# Altium PCB Interface_Card_for_GaN_Inverter.PcbDoc (part 2 of 2)
Units mm, origin at the board's own origin, x right, y up, seen from the top; angles counter-clockwise.
Board outline 50 x 100 mm, 4 copper layers (Top Copper, Signal Layer 1, Signal Layer 2, Bottom Copper), stack 1.57 mm thick; 101 components, 146 nets, 564 pads, 215 vias.
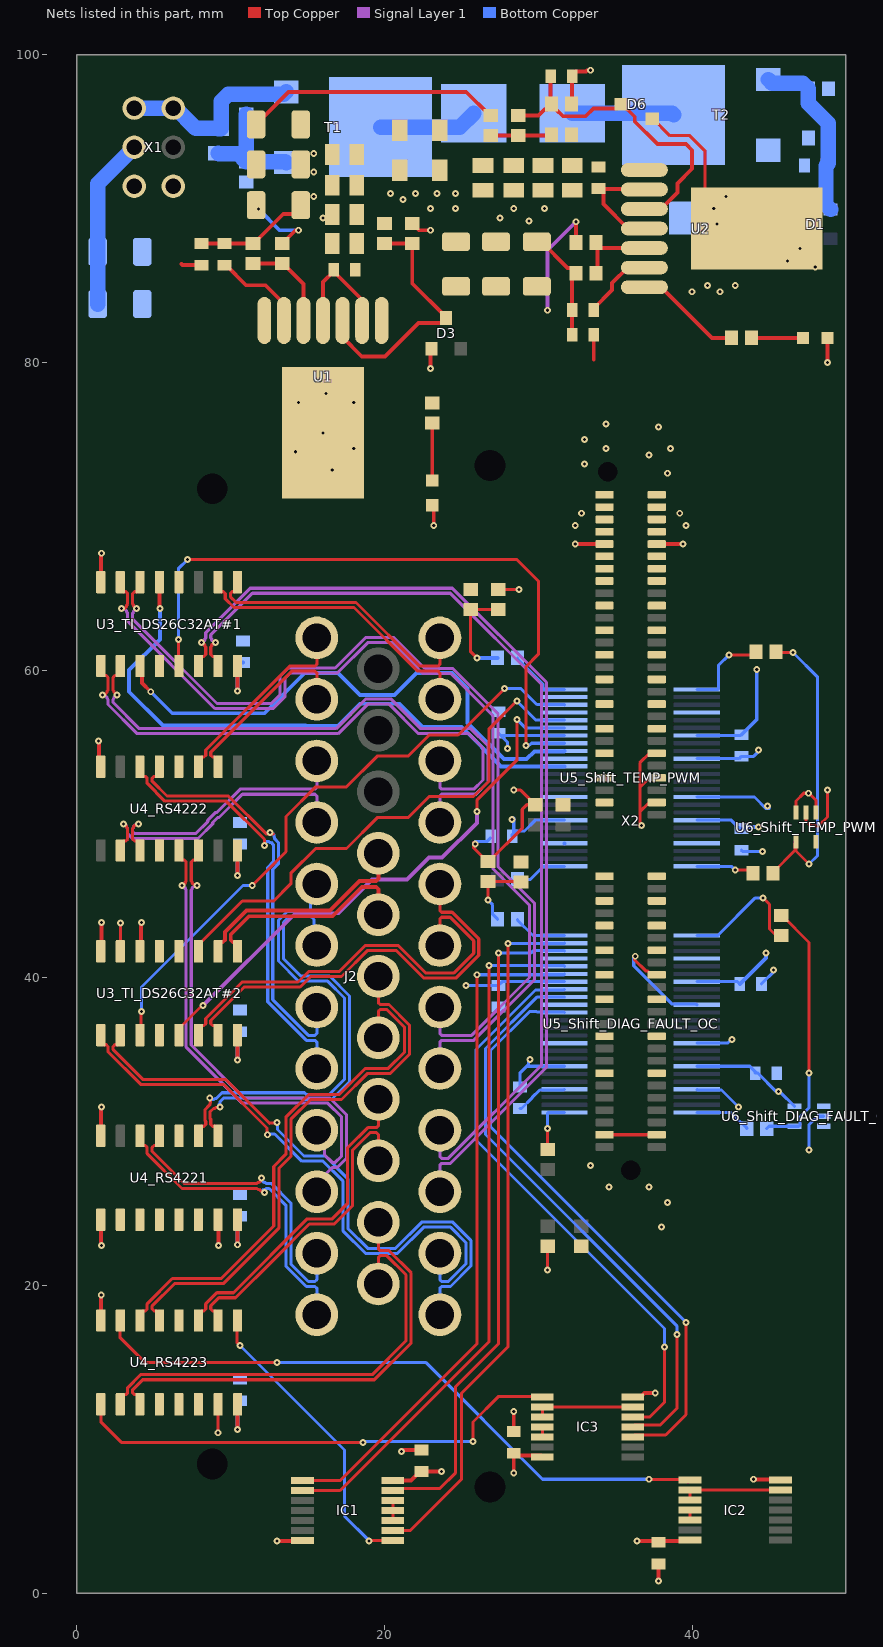
[diagram p4: the nets of this part, all layers, seen from the top]

## Via types
v1: diameter 0.45, hole 0.2, Top Copper to Bottom Copper, 215 vias

## Nets (pads, with @x,y where several pads share a name; then routed paths per layer and width w, separated by ;. In a path a pad name is that pad's centre, name@x,y a point inside that pad or via, vN(x,y) a via of type N, cw(c..) or ccw(c..) an arc to the next point about the centre after c; other vN are vias at no path point) (continued)
2B2_Shift_DIAG_FAULT_OC: IC3.3 U5_Shift_DIAG_FAULT_OC.14 | length 38.9
  Top Copper w0.2: IC3.3@36.138,10.15 36.263,10.275 38.275,10.275 39.6,11.6 v1(39.6,17.6)
  Bottom Copper w0.2: U5_Shift_DIAG_FAULT_OC.14@31.7,37.75 31.667,37.783 29.9,37.783 29.879,37.804 29.421,37.804 26.892,35.275 26.892,30.308 v1(39.6,17.6)
2B2_Shift_TEMP_PWM: U3_TI_DS26C32AT#1.5 U5_Shift_TEMP_PWM.14 | length 39.5
  Top Copper w0.254: U3_TI_DS26C32AT#1.5@5.365,65.725 5.383,65.708 5.383,64.017 v1(5.4,64)
  Bottom Copper w0.254: v1(5.4,64) 5.4,62 3.4,60 3.4,58.6 5.6,56.4 14.875,56.4 14.89,56.386 16.985,56.386 18.414,57.814 20.986,57.814 22.477,56.323 24.996,56.323 27.568,53.75 U5_Shift_TEMP_PWM.14@31.7,53.75
2B3_Shift_DIAG_FAULT_OC: IC3.4 U5_Shift_DIAG_FAULT_OC.16 | length 38.4
  Top Copper w0.2: IC3.4@36.138,10.8 36.263,10.925 37.925,10.925 39,12 v1(39,16.8)
  Bottom Copper w0.2: U5_Shift_DIAG_FAULT_OC.16@31.7,38.75 31.696,38.746 29.9,38.746 26.565,35.411 26.565,29.809 39,17.374 v1(39,16.8)
2B3_Shift_TEMP_PWM: U3_TI_DS26C32AT#1.11 U5_Shift_TEMP_PWM.16 | length 35.6
  Top Copper w0.254: U3_TI_DS26C32AT#1.11@4.095,60.275 4.231,60.139 4.231,59.169 v1(4.8,58.6)
  Bottom Copper w0.254: v1(4.8,58.6) 6.2,57.2 12.2,57.2 14.815,59.815 16.986,59.815 18.415,58.385 20.648,58.385 22.077,59.815 24.385,59.815 25.4,58.8 25.4,56.578 27.759,54.219 29.241,54.219 29.739,54.717 31.667,54.717 U5_Shift_TEMP_PWM.16@31.7,54.75
2B4_Shift_DIAG_FAULT_OC: IC3.5 U5_Shift_DIAG_FAULT_OC.17 | length 37.8
  Top Copper w0.2: IC3.5@36.138,11.45 37.242,11.45 38.2,12.408 v1(38.2,16)
  Bottom Copper w0.2: U5_Shift_DIAG_FAULT_OC.17@31.7,39.25 31.66,39.21 29.81,39.21 25.946,35.346 25.946,29.454 38.2,17.2 v1(38.2,16)
2B4_Shift_TEMP_PWM: U3_TI_DS26C32AT#1.13 U5_Shift_TEMP_PWM.17 | length 44.3
  Top Copper w0.2: v1(6.6,62) 6.618,61.982 6.618,60.293 U3_TI_DS26C32AT#1.13@6.635,60.275 ; v1(7.2,67.2) 28.6,67.2 30,65.8 30,61.029 29.2,60.229 v1@29.2,55
  Bottom Copper w0.2: v1(6.6,62) 6.6,66.6 v1(7.2,67.2) ; v1@29.2,55 29.3,55 29.55,55.25 U5_Shift_TEMP_PWM.17@31.7,55.25
  other v1: 29.2,55.1
2B5_Shift_DIAG_FAULT_OC: IC1.1 U5_Shift_DIAG_FAULT_OC.19 | length 44.7
  Top Copper w0.2: IC1.1@14.662,7.325 17.125,7.325 26,16.2 v1(26,40.2)
  Bottom Copper w0.2: v1(26,40.2) 31.65,40.2 U5_Shift_DIAG_FAULT_OC.19@31.7,40.25
2B5_Shift_TEMP_PWM: U3_TI_DS26C32AT#2.13 U5_Shift_TEMP_PWM.19 | length 36.5
  Top Copper w0.2: U3_TI_DS26C32AT#2.13@6.635,36.275 6.635,36.7 8.135,38.2 v1(8.2,38.2) ; v1(26,50.8) 26,51.538 28.6,54.138 v1(28.6,56.8)
  Signal Layer 1 w0.254: v1(8.2,38.2) 14.2,44.2 17,44.2 19.185,46.386 21.461,46.386 22.89,47.814 23.739,47.814 26,50.075 v1(26,50.8)
  Bottom Copper w0.2: v1(28.6,56.8) 29.15,56.25 U5_Shift_TEMP_PWM.19@31.7,56.25
2B6_Shift_DIAG_FAULT_OC: IC1.2 U5_Shift_DIAG_FAULT_OC.20 | length 45.5
  Top Copper w0.2: IC1.2@14.662,6.675 17.117,6.675 26.8,16.358 v1(26.8,40.8)
  Bottom Copper w0.2: v1(26.8,40.8) 31.65,40.8 U5_Shift_DIAG_FAULT_OC.20@31.7,40.75
2B6_Shift_TEMP_PWM: U3_TI_DS26C32AT#2.3 U5_Shift_TEMP_PWM.20 | length 33.7
  Top Copper w0.2: U3_TI_DS26C32AT#2.3@7.905,41.725 7.905,42.15 10.755,45 12.8,45 13.912,46.112 13.912,46.799 15.526,48.413 17.526,48.413 19.526,50.413 21.526,50.413 22.901,51.788 25.787,51.788 26.8,52.8 26.8,56.2 v1(28.6,58)
  Bottom Copper w0.2: v1(28.6,58) 29.85,56.75 U5_Shift_TEMP_PWM.20@31.7,56.75
2B7_Shift_DIAG_FAULT_OC: IC1.13 U5_Shift_DIAG_FAULT_OC.22 | length 43.9
  Top Copper w0.2: IC1.13@20.538,6.675 20.663,6.8 23.6,6.8 24.6,7.8 24.6,13.4 27.4,16.2 v1(27.4,41.6)
  Bottom Copper w0.2: v1(27.4,41.6) 29.496,41.6 29.671,41.775 31.675,41.775 U5_Shift_DIAG_FAULT_OC.22@31.7,41.75
2B7_Shift_TEMP_PWM: U3_TI_DS26C32AT#2.11 U5_Shift_TEMP_PWM.22 | length 40.5
  Top Copper w0.2: U3_TI_DS26C32AT#2.11@4.095,36.275 4.162,36.342 4.162,37.762 v1(4.2,37.8) ; v1(11.4,46) 13.6,48.2 13.6,50.486 15.526,52.413 17.526,52.413 19.526,54.412 21.526,54.412 22.901,55.788 24.788,55.788 v1(27.8,58.8)
  Bottom Copper w0.2: v1(4.2,37.8) 4.2,39.4 10.8,46 v1(11.4,46) ; v1(27.8,58.8) 28.872,58.8 29.9,57.772 31.678,57.772 U5_Shift_TEMP_PWM.22@31.7,57.75
2B8_Shift_DIAG_FAULT_OC: IC1.9 U5_Shift_DIAG_FAULT_OC.23 | length 45.6
  Top Copper w0.2: IC1.9@20.538,4.075 21.675,4.075 25,7.4 25,8.8 25,13 28.038,16.038 v1(28.038,42.237)
  Bottom Copper w0.2: v1(28.038,42.237) 31.688,42.237 U5_Shift_DIAG_FAULT_OC.23@31.7,42.25
2B8_Shift_TEMP_PWM: U5_Shift_TEMP_PWM.23
2DIR_Shift_DIAG_FAULT_OC: R20_Shift_DIAG_FAULT_OC.1 R23.2 R24.2 | length 4.9
  Top Copper w0.2: v1(26.73,45.07) R23.2@26.73,46.258 28.842,46.258 R24.2@28.875,46.225
  Bottom Copper w0.2: v1(26.73,45.07) 26.73,45.043 27.025,44.748 27.025,44.125 R20_Shift_DIAG_FAULT_OC.1@27.35,43.8
2DIR_Shift_TEMP_PWM: R20_Shift_TEMP_PWM.1 R27.2 R28.2 | length 6.5
  Top Copper w0.2: v1(26,60.8) 25.6,61.2 R28.2@25.6,63.95 R27.2@27.4,63.95
  Bottom Copper w0.254: v1(26,60.8) R20_Shift_TEMP_PWM.1@27.35,60.8
FAULT_N: J2.22 U4_RS4223.11 | length 29.6
  Top Copper w0.2: U4_RS4223.11@4.095,12.275 4.095,12.7 3.895,12.9 3.741,12.9 3.624,13.017 3.624,13.223 4.274,13.873 19.335,13.873 21.727,16.265 21.727,20.822 20.285,22.263 19.717,22.263 19.6,22.381 J2.22@19.6,24.1
FAULT_P: J2.23 U4_RS4223.10 | length 29.1
  Top Copper w0.2: U4_RS4223.10@2.825,12.275 2.825,12.7 3.025,12.9 3.179,12.9 3.297,13.017 3.297,13.358 4.138,14.2 19.2,14.2 21.4,16.4 21.4,20.686 20.15,21.936 19.717,21.936 19.6,21.819 J2.23@19.6,20.1
GaN_H1_TEMP_N: J2.1 U4_RS4222.3 | length 12.6
  Top Copper w0.2: U4_RS4222.3@7.905,53.725 7.905,54.15 8.105,54.35 8.259,54.35 8.377,54.467 8.377,54.808 13.832,60.263 15.483,60.263 15.6,60.381 J2.1@15.6,62.1
GaN_H1_TEMP_P: J2.2 U4_RS4222.2 | length 12.1
  Top Copper w0.2: U4_RS4222.2@9.175,53.725 9.175,54.15 8.975,54.35 8.821,54.35 8.704,54.467 8.704,54.673 13.967,59.936 15.483,59.936 15.6,59.819 J2.2@15.6,58.1
GaN_H2_TEMP_N: J2.3 U4_RS4222.11 | length 18
  Top Copper w0.2: v1(4,50) 3.841,50 3.687,49.846 3.687,49.771 3.624,49.707 3.624,49.017 3.741,48.9 3.895,48.9 4.095,48.7 U4_RS4222.11@4.095,48.275
  Signal Layer 1 w0.2: v1(4,50) 3.841,50 3.687,49.846 3.687,49.771 3.624,49.707 3.624,49.5 3.741,49.383 7.737,49.383 8.507,50.152 8.507,50.238 9.023,50.754 9.109,50.754 10.618,52.263 15.483,52.263 15.6,52.381 J2.3@15.6,54.1
GaN_H2_TEMP_P: J2.4 U4_RS4222.10 | length 18.2
  Top Copper w0.2: U4_RS4222.10@2.825,48.275 2.825,48.7 3.025,48.9 3.179,48.9 3.297,49.017 3.297,49.707 3.233,49.771 3.233,49.846 3.133,49.946 v1@3.133,50
  Signal Layer 1 w0.2: v1@3.133,50 3.133,49.946 3.233,49.846 3.233,49.771 3.297,49.707 3.297,49.365 3.605,49.056 7.872,49.056 8.834,50.017 8.834,50.103 9.158,50.427 9.244,50.427 10.753,51.937 15.483,51.937 15.6,51.819 J2.4@15.6,50.1
  other v1: 3.033,50
GaN_H3_TEMP_N: J2.5 U4_RS4221.3 | length 29.9
  Top Copper w0.2: U4_RS4221.3@7.905,29.725 7.905,30.15 8.105,30.35 8.259,30.35 8.377,30.467 8.377,30.673 8.319,30.73 8.319,31.413 8.646,31.74 8.646,31.829 8.699,31.883 8.699,32.024 8.638,32.085 v1(8.638,32.2)
  Bottom Copper w0.2: v1(8.638,32.2) 8.677,32.2 8.776,32.101 8.917,32.101 8.971,32.154 9.06,32.154 9.433,32.527 14.787,32.527 14.901,32.413 16.413,32.413 17.4,33.4 17.4,38.686 16.299,39.787 14.412,39.787 13.104,41.096 13.104,43.742 13.689,44.327 15.2,44.327 15.2,45.7 J2.5@15.6,46.1
GaN_H3_TEMP_P: J2.6 U4_RS4221.2 | length 29.2
  Top Copper w0.2: U4_RS4221.2@9.175,29.725 9.175,30.15 8.975,30.35 8.821,30.35 8.704,30.467 8.704,30.808 8.646,30.866 8.646,31.277 8.877,31.508 8.967,31.508 9.02,31.562 9.162,31.562 v1@9.2,31.6
  Bottom Copper w0.2: v1@9.2,31.6 9.238,31.638 9.238,31.78 9.292,31.833 9.292,31.923 9.569,32.2 14.651,32.2 14.766,32.086 16.548,32.086 17.727,33.265 17.727,38.822 16.434,40.114 14.548,40.114 13.431,41.231 13.431,43.606 13.825,44 15.2,44 15.413,43.787 15.413,42.287 J2.6@15.6,42.1
  other v1: 9.3,31.6
GaN_L1_TEMP_N: J2.7 U4_RS4222.5 | length 27.2
  Top Copper w0.2: U4_RS4222.5@5.365,53.725 5.365,53.3 5.165,53.1 5.011,53.1 4.894,52.983 4.894,52.777 5.856,51.815 9.848,51.815 12.304,49.358 v1@12.767,49.358
  Bottom Copper w0.2: v1@12.767,49.358 12.805,49.32 12.805,49.179 12.858,49.125 12.858,49.035 13.1,48.793 13.1,47.407 12.734,47.041 12.734,38.58 15.05,36.263 15.483,36.263 15.6,36.381 J2.7@15.6,38.1
  other v1: 12.567,49.458
GaN_L1_TEMP_P: J2.8 U4_RS4222.6 | length 28.1
  Top Copper w0.2: U4_RS4222.6@4.095,53.725 4.095,53.3 4.295,53.1 4.449,53.1 4.567,52.983 4.567,52.642 5.721,51.488 9.713,51.488 12.2,49 v1(12.2,48.6)
  Bottom Copper w0.2: v1(12.2,48.6) 12.2,48.715 12.342,48.858 12.484,48.858 12.537,48.804 12.627,48.804 12.773,48.658 12.773,47.543 12.407,47.176 12.407,38.444 14.915,35.936 15.483,35.936 15.6,35.819 J2.8@15.6,34.1
GaN_L2_TEMP_N: J2.9 U4_RS4222.13 | length 31
  Top Copper w0.2: U4_RS4222.13@6.635,48.275 6.635,47.85 6.835,47.65 6.989,47.65 7.107,47.533 7.107,46.293 7.043,46.229 7.043,46.154 6.943,46.054 v1@6.943,46
  Signal Layer 1 w0.2: v1@6.943,46 6.943,45.946 7.043,45.846 7.043,45.771 7.107,45.707 7.107,35.494 10.746,31.854 16.317,31.854 17.2,30.971 17.2,28.4 16.8,28 16.6,28 16.093,28.507 16.093,29.607 J2.9@15.6,30.1
  other v1: 6.843,46
GaN_L2_TEMP_P: J2.10 U4_RS4222.14 | length 31.4
  Top Copper w0.2: v1(7.8,46) 7.651,46 7.497,46.154 7.497,46.229 7.434,46.293 7.434,47.533 7.551,47.65 7.705,47.65 7.905,47.85 U4_RS4222.14@7.905,48.275
  Signal Layer 1 w0.2: v1(7.8,46) 7.651,46 7.497,45.846 7.497,45.771 7.434,45.707 7.434,35.629 10.881,32.181 16.452,32.181 17.527,31.106 17.527,28.265 16.935,27.673 16.6,27.673 15.6,26.673 J2.10@15.6,26.1
GaN_L3_TEMP_N: J2.11 U4_RS4221.5 | length 20.1
  Top Copper w0.2: U4_RS4221.5@5.365,29.725 5.365,29.3 5.165,29.1 5.011,29.1 4.894,28.983 4.894,28.707 6.964,26.637 11.707,26.637 11.771,26.7 11.846,26.7 12,26.854 v1(12,27)
  Bottom Copper w0.2: v1(12,27) 12,26.854 12.154,26.7 12.229,26.7 12.293,26.637 12.635,26.637 13.912,25.359 13.912,21.401 15.05,20.264 15.483,20.264 15.6,20.381 J2.11@15.6,22.1
GaN_L3_TEMP_P: J2.12 U4_RS4221.6 | length 20.3
  Top Copper w0.2: U4_RS4221.6@4.095,29.725 4.095,29.3 4.295,29.1 4.449,29.1 4.567,28.983 4.567,28.571 6.828,26.31 11.707,26.31 11.771,26.246 11.846,26.246 11.946,26.146 v1@12,26.146
  Bottom Copper w0.2: v1@12,26.146 12.054,26.146 12.154,26.246 12.229,26.246 12.293,26.31 12.5,26.31 13.585,25.224 13.585,21.266 14.915,19.937 15.483,19.937 15.6,19.819 J2.12@15.6,18.1
  other v1: 12.2,26.046
GND: C3.1 C4.1 C5.1 C6.1 C7.1 C8.1 C9.1 C10.1 C11.1 C12.1 C13.1 C14.1 C15.1 C16.1 C17.1 C18.1 C19.1 C20.1 C21.1 C22.1 C23.1 C24_TI_DS26C32AT#1.1 C24_TI_DS26C32AT#2.1 C25_RS4221.1 C25_RS4222.1 C25_RS4223.1 C26.1 C27.1 C28.1 C29_Shift_DIAG_FAULT_OC.1 C29_Shift_TEMP_PWM.1 C30_Shift_DIAG_FAULT_OC.1 C30_Shift_TEMP_PWM.1 C31_Shift_DIAG_FAULT_OC.1 C31_Shift_TEMP_PWM.1 C32_Shift_DIAG_FAULT_OC.1 C32_Shift_TEMP_PWM.1 C33.1 C34.1 D2.2 D3.1 D4.1 D5.1 D6.1 IC1.7 IC2.7 IC3.7 R3.1 R4.1 R6.1 R10.1 R13.2 R16.1 R21.1 R23.1 R25.1 R27.1 U1.2 U1.4 U1.8 U2.2 U2.4 U2.8 U3_TI_DS26C32AT#1.8 U3_TI_DS26C32AT#2.6 U3_TI_DS26C32AT#2.8 U4_RS4221.8 U4_RS4221.9 U4_RS4221.15 U4_RS4222.8 U4_RS4223.8 U4_RS4223.15 U5_Shift_DIAG_FAULT_OC.4 U5_Shift_DIAG_FAULT_OC.10 U5_Shift_DIAG_FAULT_OC.15 U5_Shift_DIAG_FAULT_OC.21 U5_Shift_DIAG_FAULT_OC.28 U5_Shift_DIAG_FAULT_OC.34 U5_Shift_DIAG_FAULT_OC.39 U5_Shift_DIAG_FAULT_OC.45 U5_Shift_TEMP_PWM.4 U5_Shift_TEMP_PWM.10 U5_Shift_TEMP_PWM.15 U5_Shift_TEMP_PWM.21 U5_Shift_TEMP_PWM.28 U5_Shift_TEMP_PWM.34 U5_Shift_TEMP_PWM.39 U5_Shift_TEMP_PWM.45 U6_Shift_DIAG_FAULT_OC.1 U6_Shift_DIAG_FAULT_OC.3 U6_Shift_TEMP_PWM.1 U6_Shift_TEMP_PWM.3 X1.3 X1.6 X2.1 X2.2 X2.3 X2.4 X2.7 X2.8 X2.11 X2.12 X2.15 X2.16 X2.19 X2.20 X2.23 X2.24 X2.27 X2.28 X2.31 X2.32 X2.35 X2.36 X2.39 X2.40 X2.43 X2.44 X2.47 X2.48 X2.51 X2.52 X2.55 X2.56 X2.59 X2.60 X2.63 X2.64 X2.67 X2.68 X2.71 X2.72 X2.75 X2.76 X2.81 X2.82 X2.87 X2.88 X2.97 X2.98 | length 131.2
  Top Copper w0.2: v1(9.175,10.425) U4_RS4223.15@9.175,12.275 ; v1@25.8,48.8 25.8,48.438 26.68,47.558 R23.1@26.73,47.558 26.78,47.558 28.954,49.732 28.954,50.954 29.25,51.25 R25.1@29.8,51.25 28.85,52.2 v1(28.4,52.2) ; R27.1@27.4,65.25 v1(28.75,65.25) ; v1(30.6,21) R21.1@30.6,22.55 ; v1@36.2,41.4 36.238,41.362 36.238,41.187 36.976,40.45 37.1,40.45 37.35,40.2 X2.72@37.7,40.2 ; v1@36.6,49.8 36.6,50.8 ; X2.52@37.2,51.4 36.6,50.8 ; D6.1@37.4,95.85 37.45,95.85 38.552,94.748 39.852,94.748 40.822,93.778 40.822,91.285 43.397,88.71 U2.8@44.2,88.71 ; X2.48@37.7,53 37.226,53 36.6,52.374 ; X2.44@37.7,54.6 37.226,54.6 36.6,53.974 36.6,52.374 ; U6_Shift_TEMP_PWM.3@46.75,50.75 46.75,51.5 47.25,52 47.6,52 48.05,51.55 U6_Shift_TEMP_PWM.1@48.05,50.75 ; 36.6,50.8 36.6,52.374
  Top Copper w0.254: v1(1.4,55.4) 1.428,55.372 1.428,54.323 1.551,54.2 1.6,54.2 1.555,54.155 U4_RS4222.8@1.555,53.725 ; U4_RS4223.8@1.555,17.725 1.569,17.739 1.569,19.369 v1(1.583,19.383) ; U4_RS4221.9@1.555,24.275 1.578,24.253 1.578,22.622 v1(1.6,22.6) ; U4_RS4221.8@1.555,29.725 1.578,29.747 1.578,31.578 v1(1.6,31.6) ; U3_TI_DS26C32AT#2.8@1.555,41.725 1.6,41.77 v1(1.6,43.6) ; U3_TI_DS26C32AT#1.8@1.555,65.725 1.578,65.748 1.578,67.578 v1(1.6,67.6) ; U3_TI_DS26C32AT#2.6@4.095,41.725 4.172,41.802 4.172,43.572 v1(4.2,43.6) ; C8.1@8.1,87.73 C12.1@9.6,87.73 R6.1@11.45,87.73 11.5,87.73 13.417,89.647 14.078,89.647 14.55,90.119 C9.1@14.55,90.23 ; U4_RS4221.15@9.175,24.275 9.2,24.25 v1(9.2,22.6) ; v1(13,3.4) 14.637,3.4 IC1.7@14.662,3.425 ; U1.4@16,82.735 16,85.23 C7.1@16.7,85.93 ; C7.1@16.7,86.03 C7.1@16.7,85.93 ; U1.2@18.54,82.735 18.418,82.857 18.418,84.212 C7.1@16.7,85.93 ; v1@21.1,9.3 C26.1@22.4,9.3 ; R10.1@21.8,89.05 22.25,88.6 v1(23,88.6) ; v1(23,79.6) 23,80.85 D3.1@23.05,80.9 ; D4.1@23.1,70.73 23.2,70.63 v1(23.2,69.4) ; C28.1@28.4,10.7 v1(28.4,11.8) ; C19.1@29.9,87.85 30.205,87.85 31.907,86.148 32.152,86.148 32.45,85.85 R13.2@32.45,85.8 32.2,85.55 C22.1@32.2,83.41 C18.1@32.2,81.81 ; R16.1@32.15,96.81 32.2,96.86 C23.1@32.2,98.61 32.2,98.71 32.423,98.933 33.093,98.933 33.16,99 v1(33.4,99) ; C17.1@33.9,91.31 34,91.31 C17.1@34.03,91.28 ; X2.97@34.3,29.8 X2.98@37.7,29.8 ; IC3.7@36.138,12.75 36.651,12.75 36.9,13 v1(37.6,13) ; U2.4@36.895,88.71 35.81,88.71 34.223,90.297 34.223,91.087 C17.1@34.03,91.28 ; U2.2@36.895,91.25 36.865,91.28 C17.1@34.03,91.28 ; v1(37.8,0.8) C27.1@37.8,1.9 ; v1(44,7.4) 44.025,7.375 45.713,7.375 IC2.7@45.738,7.35 ; v1(48.8,80) D5.1@48.8,81.6
  Bottom Copper w0.2: v1@25.8,48.8 25.827,48.8 25.877,48.85 26.65,48.85 C31_Shift_TEMP_PWM.1@26.9,49.1 ; C31_Shift_DIAG_FAULT_OC.1@28.8,31.5 28.9,31.5 29.613,32.213 29.613,32.227 30.096,32.71 31.66,32.71 U5_Shift_DIAG_FAULT_OC.4@31.7,32.75 ; v1@36.2,41.4 36.2,40.786 38.696,38.29 40.26,38.29 U5_Shift_DIAG_FAULT_OC.34@40.3,38.25 ; U5_Shift_DIAG_FAULT_OC.45@40.3,32.75 40.34,32.71 41.904,32.71 v1(43.014,31.6) ; U5_Shift_DIAG_FAULT_OC.39@40.3,35.75 42.296,35.75 42.546,36 v1(42.6,36) ; U5_Shift_TEMP_PWM.39@40.3,51.75 40.304,51.754 44.046,51.754 44.8,51 45,51 v1@45.029,51.029 ; U5_Shift_TEMP_PWM.34@40.3,54.25 43.05,54.25 C29_Shift_TEMP_PWM.1@43.2,54.4 44,54.4 v1@44.4,54.8 ; C30_Shift_TEMP_PWM.1@43.2,48.3 43.3,48.2 v1(44.575,48.2) ; C29_Shift_DIAG_FAULT_OC.1@44.5,39.6 v1@45.4,40.5
  Bottom Copper w0.254: U5_Shift_TEMP_PWM.4@31.687,48.737 U5_Shift_TEMP_PWM.4@31.7,48.75
  other v1: 21.1,9.2 38,23.8 38.4,25.4 34.6,26.4 37.2,26.4 33.4,27.8 45.3,40.5 36.3,41.4 25.9,48.7 36.7,49.9 44.9,51.179 47.55,52 44.3,54.8 38.4,72.8 16.6,73 33,73.4 37.2,74 14.2,74.2 18,74.4 34.4,74.4 38.6,74.4 33,75 16,75.43 37.8,75.8 34.4,76 14.4,77.4 18,77.4 16.2,78 48,86.2 46.2,86.6 47,87.4 41.6,89 29.4,89.2 16,89.4 27.5,89.4 28.4,90 30.4,90 41.4,90 15.4,90.8 42.2,90.8 15.4,92.4 15.4,93.6
I_DIAG_N: J2.20 U4_RS4223.3 | length 21.2
  Top Copper w0.2: U4_RS4223.3@7.905,17.725 7.905,18.15 8.105,18.35 8.259,18.35 8.377,18.467 8.377,18.808 9.095,19.527 10.178,19.527 14.978,24.327 16.6,24.327 17.585,25.312 17.585,28.934 18.915,30.263 19.483,30.263 19.6,30.381 J2.20@19.6,32.1
I_DIAG_P: J2.21 U4_RS4223.2 | length 20.8
  Top Copper w0.2: U4_RS4223.2@9.175,17.725 9.175,18.15 8.975,18.35 8.821,18.35 8.704,18.467 8.704,18.673 9.231,19.2 10.314,19.2 12.826,21.713 15.114,24 16.735,24 17.912,25.177 17.912,28.799 19.05,29.936 19.483,29.936 19.6,29.819 19.6,28.427 J2.21@19.927,28.1
"IC1 1Y": IC1.10 IC1.11 IC1.12 | length 1.3
  Top Copper w0.2: IC1.10@20.538,4.725 IC1.11@20.538,5.375 IC1.12@20.538,6.025
"IC2 1Y": IC2.11 IC2.12 | length 0.7
  Top Copper w0.2: IC2.12@39.862,4.75 IC2.11@39.862,5.4
"IC2 2Y": IC2.6 IC2.9 IC2.10 | length 6.5
  Top Copper w0.2: IC2.10@39.862,6.05 IC2.9@39.862,6.7 IC2.6@45.738,6.7
"IC3 1Y": IC3.11 IC3.12 | length 0.7
  Top Copper w0.2: IC3.12@30.262,10.15 IC3.11@30.262,10.8
"IC3 2Y": IC3.6 IC3.9 IC3.10 | length 6.5
  Top Copper w0.2: IC3.10@30.262,11.45 IC3.9@30.262,12.1 IC3.6@36.138,12.1
NetC1_1: C1.1 R1.1 R3.2 T1.1 | length 7.7
  Bottom Copper w1: C1.1@9.2,93.6 9.225,93.575 10.475,93.575 R3.2@11,93.05 ; R1.1@11,96.15 R3.2@11,93.05 ; T1.1@13.6,93 13.55,93.05 R3.2@11,93.05
NetC1_2: C1.2 R1.2 T1.3 X1.1 X1.4 | length 12.4
  Bottom Copper w1: X1.4@3.73,96.54 X1.1@6.27,96.54 6.412,96.54 7.727,95.225 9.175,95.225 C1.2@9.2,95.2 9.35,95.2 9.375,95.225 9.375,96.975 9.85,97.45 R1.2@11,97.45 13.45,97.45 T1.3@13.6,97.6
NetC2_1: C2.1 D1.1 R2.1 R4.2 T2.1 | length 11.4
  Bottom Copper w1: T2.1@44.95,98.4 45.2,98.15 47.2,98.15 R4.2@47.55,97.8 47.55,96.85 48.85,95.55 R2.1@48.85,94.6 48.85,92.95 C2.1@48.7,92.8 48.7,90.25 D1.1@49,89.95
NetC3_2: C3.2 C4.2 C5.2 C6.2 C7.2 L1.2 R7.1 U1.1
NetC12_2: C12.2 U1.6 | length 6
  Top Copper w0.254: C12.2@9.6,86.33 9.7,86.33 11.006,85.024 12.256,85.024 13.46,83.82 U1.6@13.46,82.735
NetC13_2: C13.2 C14.2 C15.2 C16.2 C17.2 L2.2 R11.2 U2.1
NetC22_2: C22.2 U2.6 | length 4.8
  Top Copper w0.254: C22.2@33.6,83.41 33.6,83.51 34.8,84.71 34.8,85.16 35.81,86.17 U2.6@36.895,86.17
NetC23_2: C23.2 D6.3 R15.2 R16.2 U2.3 | length 21.3
  Top Copper w0.254: R15.2@28.7,96.06 30,96.06 30.402,96.462 30.552,96.462 R16.2@30.8,96.71 ; C23.2@30.8,98.61 R16.2@30.8,96.71 ; U2.3@36.895,89.98 37.98,89.98 39.051,91.051 39.051,91.651 40,92.6 40,93.8 39.6,94.2 37.738,94.2 36.269,95.669 36.269,95.981 35.45,96.8 D6.3@35.4,96.8 35.127,96.527 33.593,96.527 33.074,96.008 31.59,96.008 31.148,96.45 31.148,96.462 30.9,96.71 R16.2@30.8,96.71
NetD3_3: D3.3 R7.2 R10.2 U1.3 | length 17
  Top Copper w0.254: U1.3@17.27,82.735 17.27,81.65 18.52,80.4 20.035,80.4 22.212,82.577 23.727,82.577 24,82.85 D3.3@24,82.9 24,82.95 21.8,85.15 R10.2@21.8,87.75 R7.2@20,87.75
NetD4_2: D4.2 R8.1 | length 3.7
  Top Copper w0.2: D4.2@23.1,72.33 R8.1@23.1,76.08
NetD5_2: D5.2 R9.1 | length 3.3
  Top Copper w0.254: R9.1@43.85,81.6 D5.2@47.2,81.6
NetF1_1: F1.1 T1.4 | length 6.4
  Bottom Copper w1: T1.4@19.75,95.3 24.9,95.3 F1.1@25.8,96.2
NetF1_2: F1.2 T2.4 | length 6.6
  Bottom Copper w1: F1.2@32.2,96.2 38.7,96.2 T2.4@38.8,96.1
NetIC1_8: IC1.8 U4_RS4223.1 | length 19.4
  Top Copper w0.2: U4_RS4223.1@10.445,17.725 10.423,17.703 10.423,16.277 v1(10.6,16.1) ; v1(19,3.4) 19.013,3.413 20.526,3.413 IC1.8@20.538,3.425
  Bottom Copper w0.2: v1(10.6,16.1) 17.4,9.3 17.4,5 v1(19,3.4)
NetIC2_8: IC2.8 U4_RS4223.7 | length 42.2
  Top Copper w0.2: U4_RS4223.7@2.825,17.725 2.813,17.713 2.813,16.601 4.413,15 v1(13,15) ; v1(37.2,7.4) 37.225,7.375 39.837,7.375 IC2.8@39.862,7.35 IC2.8@39.737,7.225
  Bottom Copper w0.2: v1(13,15) 22.675,15 30.275,7.4 v1(37.2,7.4)
NetIC3_8: IC3.8 U4_RS4223.9 | length 32.4
  Top Copper w0.2: U4_RS4223.9@1.555,12.275 1.555,11.138 2.893,9.8 v1(18.6,9.8) ; v1(25.746,9.854) 25.746,11.129 27.392,12.775 30.237,12.775 IC3.8@30.262,12.75 IC3.8@30.287,12.775
  Bottom Copper w0.2: v1(18.6,9.8) 18.654,9.854 v1(25.746,9.854)
NetR5_1: R5.1 R6.2 U1.5 | length 6.2
  Top Copper w0.254: R6.2@11.45,86.43 R5.1@13.35,86.43 13.4,86.43 14.73,85.1 U1.5@14.73,82.735
NetR11_1: R11.1 R14.1 R15.1 | length 4
  Top Copper w0.254: R14.1@26.9,94.76 R15.1@28.7,94.76 30.8,94.76 R11.1@30.85,94.81
NetR12_1: R12.1 R13.1 U2.5 | length 5.2
  Top Copper w0.254: R13.1@33.85,85.8 R12.1@33.85,87.75 ; R12.1@33.85,87.8 R12.1@33.85,87.75 ; U2.5@36.895,87.44 36.883,87.452 34.148,87.452 R12.1@33.85,87.75
NetR17_Shift_DIAG_FAULT_OC_1: R17_Shift_DIAG_FAULT_OC.1 U5_Shift_DIAG_FAULT_OC.1 | length 3.5
  Top Copper w0.2: R17_Shift_DIAG_FAULT_OC.1@30.6,28.85 v1(30.6,30.2)
  Bottom Copper w0.2: v1(30.6,30.2) 30.6,31.21 30.64,31.25 U5_Shift_DIAG_FAULT_OC.1@31.7,31.25
NetR17_Shift_TEMP_PWM_1: R17_Shift_TEMP_PWM.1 U5_Shift_TEMP_PWM.1 | length 3.4
  Bottom Copper w0.2: R17_Shift_TEMP_PWM.1@28.65,46.4 29.49,46.4 30.34,47.25 U5_Shift_TEMP_PWM.1@31.7,47.25
NetR18_Shift_DIAG_FAULT_OC_1: R18_Shift_DIAG_FAULT_OC.1 U5_Shift_DIAG_FAULT_OC.48 | length 3.7
  Bottom Copper w0.2: U5_Shift_DIAG_FAULT_OC.48@40.304,31.246 U5_Shift_DIAG_FAULT_OC.48@40.3,31.25 42.5,31.25 43.175,30.575 43.225,30.575 43.55,30.25 R18_Shift_DIAG_FAULT_OC.1@43.55,30.2
NetR18_Shift_TEMP_PWM_1: R18_Shift_TEMP_PWM.1 U5_Shift_TEMP_PWM.48 | length 3.8
  Top Copper w0.2: v1(42.8,47) 43.75,47 R18_Shift_TEMP_PWM.1@43.95,46.8
  Bottom Copper w0.2: U5_Shift_TEMP_PWM.48@40.3,47.25 42.55,47.25 v1(42.8,47)
NetR19_Shift_DIAG_FAULT_OC_1: R19_Shift_DIAG_FAULT_OC.1 U5_Shift_DIAG_FAULT_OC.25 | length 8.5
  Top Copper w0.2: v1(44.6,45.2) 45.025,44.775 45.025,43.175 45.45,42.75 R19_Shift_DIAG_FAULT_OC.1@45.8,42.75
  Bottom Copper w0.2: U5_Shift_DIAG_FAULT_OC.25@40.3,42.75 41.66,42.75 44.11,45.2 v1(44.6,45.2)
NetR19_Shift_TEMP_PWM_1: R19_Shift_TEMP_PWM.1 U5_Shift_TEMP_PWM.25 | length 5.7
  Top Copper w0.2: v1(42.4,61) 43.95,61 R19_Shift_TEMP_PWM.1@44.15,61.2
  Bottom Copper w0.2: U5_Shift_TEMP_PWM.25@40.3,58.75 41.66,58.75 41.7,58.79 41.7,60.3 v1(42.4,61)
NetR20_Shift_DIAG_FAULT_OC_2: R20_Shift_DIAG_FAULT_OC.2 U5_Shift_DIAG_FAULT_OC.24 | length 3.5
  Bottom Copper w0.2: R20_Shift_DIAG_FAULT_OC.2@28.65,43.8 28.65,43.75 29.65,42.75 U5_Shift_DIAG_FAULT_OC.24@31.7,42.75
NetR20_Shift_TEMP_PWM_2: R20_Shift_TEMP_PWM.2 U5_Shift_TEMP_PWM.24 | length 4.1
  Bottom Copper w0.2: R20_Shift_TEMP_PWM.2@28.65,60.8 28.65,60.75 30.3,59.1 30.3,58.79 30.34,58.75 U5_Shift_TEMP_PWM.24@31.7,58.75
NetU3_TI_DS26C32AT#2_5: U3_TI_DS26C32AT#2.5
NetU4_RS4221_10: U4_RS4221.10
NetU4_RS4221_11: U4_RS4221.11
NetU4_RS4221_13: U4_RS4221.13
NetU4_RS4221_14: U4_RS4221.14
NetU4_RS4223_13: U4_RS4223.13
NetU4_RS4223_14: U4_RS4223.14
O\E\_Shift_DIAG_FAULT_OC: R18_Shift_DIAG_FAULT_OC.2 R19_Shift_DIAG_FAULT_OC.2 U6_Shift_DIAG_FAULT_OC.4 | length 16.9
  Top Copper w0.2: R19_Shift_DIAG_FAULT_OC.2@45.8,44.05 45.85,44.05 47.6,42.3 v1(47.6,33.8)
  Bottom Copper w0.2: R18_Shift_DIAG_FAULT_OC.2@44.85,30.2 45,30.35 U6_Shift_DIAG_FAULT_OC.4@46.65,30.35 46.925,30.35 47,30.425 47,30.951 47.6,31.551 v1(47.6,33.8)
O\E\_Shift_TEMP_PWM: R18_Shift_TEMP_PWM.2 R19_Shift_TEMP_PWM.2 U6_Shift_TEMP_PWM.4 | length 20.3
  Top Copper w0.2: R18_Shift_TEMP_PWM.2@45.25,46.8 45.25,46.85 46.675,48.275 46.675,48.775 U6_Shift_TEMP_PWM.4@46.75,48.85 46.75,48.25 v1(47.6,47.4) ; R19_Shift_TEMP_PWM.2@45.45,61.2 45.45,61.15 v1(46.55,61.15)
  Bottom Copper w0.2: v1(46.55,61.15) 48.154,59.546 48.154,47.954 v1(47.6,47.4)
OC_N: J2.18 U4_RS4223.5 | length 34.7
  Top Copper w0.2: U4_RS4223.5@5.365,17.725 5.365,18.15 5.165,18.35 5.011,18.35 4.894,18.467 4.894,18.673 6.341,20.121 9.521,20.121 13.127,23.727 13.127,27.6 13.912,28.386 13.912,30.799 15.199,32.086 17.199,32.086 18.901,33.787 20.388,33.787 21.614,35.014 21.614,36.934 20.285,38.263 19.717,38.263 19.6,38.381 J2.18@19.6,40.1
OC_P: J2.19 U4_RS4223.6 | length 34.1
  Top Copper w0.2: U4_RS4223.6@4.095,17.725 4.095,18.15 4.295,18.35 4.449,18.35 4.567,18.467 4.567,18.808 6.206,20.448 9.385,20.448 12.8,23.862 12.8,27.735 13.585,28.521 13.585,30.934 15.064,32.413 17.064,32.413 18.766,34.114 20.252,34.114 21.287,35.15 21.287,36.799 20.15,37.937 19.717,37.937 19.6,37.819 J2.19@19.6,36.1
PE: C33.2 C34.2 X1.5 | length 11.2
  Bottom Copper w1: C34.2@1.35,83.8 C33.2@1.35,87.2 1.35,91.62 X1.5@3.73,94
PWM_EN_N: J2.17 U3_TI_DS26C32AT#2.1 | length 13.9
  Top Copper w0.254: U3_TI_DS26C32AT#2.1@10.445,41.725 10.445,42.15 10.272,42.323 10.149,42.323 10.001,42.472 10.001,42.814 11.191,44.004 16.615,44.004 18.52,45.91 19.451,45.91 19.6,45.761 J2.17@19.6,44.1
PWM_EN_P: J2.16 U3_TI_DS26C32AT#2.2 | length 14.6
  Top Copper w0.254: U3_TI_DS26C32AT#2.2@9.175,41.725 9.175,42.15 9.348,42.323 9.471,42.323 9.62,42.472 9.62,42.972 11.033,44.385 16.457,44.385 18.362,46.291 19.451,46.291 19.6,46.439 J2.16@19.6,48.1
PWM_H1_N: J2.24 U3_TI_DS26C32AT#1.1 | length 18.5
  Top Copper w0.2: U3_TI_DS26C32AT#1.1@10.445,65.725 10.445,65.3 10.245,65.1 10.091,65.1 9.974,64.983 9.974,64.777 10.351,64.4 18.149,64.4 22.285,60.263 23.483,60.263 23.6,60.381 J2.24@23.6,62.1
PWM_H1_P: J2.25 U3_TI_DS26C32AT#1.2 | length 19
  Top Copper w0.2: U3_TI_DS26C32AT#1.2@9.175,65.725 9.175,65.3 9.375,65.1 9.529,65.1 9.647,64.983 9.647,64.642 10.215,64.073 18.013,64.073 22.15,59.936 23.483,59.936 23.6,59.819 J2.25@23.6,58.1
PWM_H2_N: J2.26 U3_TI_DS26C32AT#1.9 | length 37.1
  Top Copper w0.2: U3_TI_DS26C32AT#1.9@1.555,60.275 1.555,59.85 1.755,59.65 1.909,59.65 2.027,59.533 2.027,58.693 1.963,58.629 1.963,58.554 1.809,58.4 v1@1.775,58.4
  Signal Layer 1 w0.2: v1@1.775,58.4 1.809,58.4 1.963,58.246 1.963,58.171 2.027,58.107 2.027,57.765 3.918,55.873 16.987,55.873 18.901,57.787 20.299,57.787 22.213,55.873 25.465,55.873 26.4,54.938 26.4,52.862 25.801,52.263 23.717,52.263 23.6,52.381 J2.26@23.6,54.1
  other v1: 1.675,58.4
PWM_H2_P: J2.27 U3_TI_DS26C32AT#1.10 | length 37.5
  Top Copper w0.2: v1@2.517,58.4 2.517,58.454 2.417,58.554 2.417,58.629 2.354,58.693 2.354,59.533 2.471,59.65 2.625,59.65 2.825,59.85 U3_TI_DS26C32AT#1.10@2.825,60.275
  Signal Layer 1 w0.2: v1@2.517,58.4 2.517,58.346 2.417,58.246 2.417,58.171 2.354,58.107 2.354,57.9 4.054,56.2 16.851,56.2 18.766,58.114 20.434,58.114 22.349,56.2 25.6,56.2 26.727,55.073 26.727,52.727 25.937,51.937 23.717,51.937 23.6,51.819 J2.27@23.6,50.1
  other v1: 2.617,58.4
PWM_H3_N: J2.28 U3_TI_DS26C32AT#2.15 | length 28
  Top Copper w0.2: U3_TI_DS26C32AT#2.15@9.175,36.275 9.175,36.7 8.975,36.9 8.821,36.9 8.704,37.017 8.704,37.223 10.881,39.4 14.514,39.4 15.199,40.086 17.199,40.086 18.901,41.788 20.743,41.788 22.53,40 24.662,40 26.127,41.465 26.127,42.535 24.399,44.263 23.717,44.263 23.6,44.381 J2.28@23.6,46.1
PWM_H3_P: J2.29 U3_TI_DS26C32AT#2.14 | length 27.4
  Top Copper w0.2: U3_TI_DS26C32AT#2.14@7.905,36.275 7.905,36.7 8.105,36.9 8.259,36.9 8.377,37.017 8.377,37.358 10.745,39.727 14.378,39.727 15.064,40.412 17.064,40.412 18.766,42.115 20.878,42.115 22.666,40.327 24.527,40.327 25.8,41.6 25.8,42.4 24.264,43.936 23.717,43.936 23.6,43.819 J2.29@23.6,42.1
PWM_L1_N: J2.30 U3_TI_DS26C32AT#1.7 | length 60.9
  Top Copper w0.2: U3_TI_DS26C32AT#1.7@2.825,65.725 2.825,65.3 3.025,65.1 3.179,65.1 3.297,64.983 3.297,64.293 3.233,64.229 3.233,64.154 3.079,64 v1@3,64
  Signal Layer 1 w0.2: v1@3,64 3.079,64 3.233,63.846 3.233,63.771 3.297,63.707 3.297,63.177 8.969,57.504 12.767,57.504 13.527,58.265 13.527,59.465 13.877,59.815 16.928,59.815 18.901,61.787 20.485,61.787 20.6,61.673 22.486,59.788 24.299,59.788 27.054,57.032 27.054,47.084 29.419,44.719 29.419,40.019 25.663,36.263 23.717,36.263 23.6,36.381 J2.30@23.6,38.1
  other v1: 2.9,64
PWM_L1_P: J2.31 U3_TI_DS26C32AT#1.6 | length 61.2
  Top Copper w0.2: v1@3.787,64 3.787,64.054 3.687,64.154 3.687,64.229 3.624,64.293 3.624,64.983 3.741,65.1 3.895,65.1 4.095,65.3 U3_TI_DS26C32AT#1.6@4.095,65.725
  Signal Layer 1 w0.2: v1@3.787,64 3.787,63.946 3.687,63.846 3.687,63.771 3.624,63.707 3.624,63.312 9.104,57.831 12.631,57.831 13.2,58.4 13.2,59.6 13.742,60.142 16.793,60.142 18.766,62.114 20.621,62.114 22.621,60.115 24.434,60.115 27.381,57.168 27.381,47.219 29.746,44.854 29.746,39.883 25.799,35.936 23.717,35.936 23.6,35.819 J2.31@23.6,34.1
  other v1: 3.887,64
PWM_L2_N: J2.32 U3_TI_DS26C32AT#1.15 | length 63.4
  Top Copper w0.2: v1(9,61.8) 8.921,61.8 8.767,61.646 8.767,61.571 8.704,61.507 8.704,61.017 8.821,60.9 8.975,60.9 9.175,60.7 U3_TI_DS26C32AT#1.15@9.175,60.275
  Signal Layer 1 w0.2: v1(9,61.8) 8.921,61.8 8.767,61.954 8.767,62.029 8.704,62.093 8.704,62.3 11.404,65 24.275,65 30.204,59.071 30.204,34.318 24.15,28.263 23.717,28.263 23.6,28.381 J2.32@23.6,30.1
PWM_L2_P: J2.33 U3_TI_DS26C32AT#1.14 | length 64.8
  Top Copper w0.2: U3_TI_DS26C32AT#1.14@7.905,60.275 7.905,60.7 8.105,60.9 8.259,60.9 8.377,61.017 8.377,61.507 8.313,61.571 8.313,61.646 8.213,61.746 v1@8.213,61.8
  Signal Layer 1 w0.2: v1@8.213,61.8 8.213,61.854 8.313,61.954 8.313,62.029 8.377,62.093 8.377,62.435 11.268,65.327 24.41,65.327 30.531,59.206 30.531,34.182 24.285,27.936 23.717,27.936 23.6,27.819 J2.33@23.6,26.1
  other v1: 8.113,61.8
PWM_L3_N: J2.34 U3_TI_DS26C32AT#2.9 | length 38.7
  Top Copper w0.2: U3_TI_DS26C32AT#2.9@1.555,36.275 1.555,35.85 1.755,35.65 1.909,35.65 2.027,35.533 2.027,35.192 4.145,33.073 9.527,33.073 12.362,30.238 12.362,29.838 v1(12.4,29.8)
  Bottom Copper w0.2: v1(12.4,29.8) 12.438,29.838 12.683,29.838 12.694,29.85 12.86,29.85 14.625,28.086 16.001,28.086 17.287,26.799 17.287,23.564 18.766,22.086 20.845,22.086 22.547,23.788 24.299,23.788 25.287,22.799 25.287,21.401 24.15,20.264 23.717,20.264 23.6,20.381 J2.34@23.6,22.1
PWM_L3_P: J2.35 U3_TI_DS26C32AT#2.10 | length 39.2
  Top Copper w0.2: U3_TI_DS26C32AT#2.10@2.825,36.275 2.825,35.85 2.625,35.65 2.471,35.65 2.354,35.533 2.354,35.327 4.281,33.4 9.662,33.4 12.531,30.531 12.562,30.562 12.962,30.562 v1(13,30.6)
  Bottom Copper w0.2: v1(13,30.6) 13.038,30.562 13.038,30.134 14.76,28.413 16.136,28.413 17.614,26.934 17.614,23.699 18.901,22.413 20.709,22.413 22.411,24.115 24.434,24.115 25.614,22.934 25.614,21.266 24.285,19.937 23.717,19.937 23.6,19.819 J2.35@23.6,18.1
VCCA_Shift_DIAG_FAULT_OC: C8.2 C9.2 C10.2 C11.2 C24_TI_DS26C32AT#1.2 C24_TI_DS26C32AT#2.2 C29_Shift_DIAG_FAULT_OC.2 C29_Shift_TEMP_PWM.2 C30_Shift_DIAG_FAULT_OC.2 C30_Shift_TEMP_PWM.2 R5.2 R8.2 R14.2 R22.1 R24.1 R26.1 R28.1 U1.7 U3_TI_DS26C32AT#1.4 U3_TI_DS26C32AT#1.12 U3_TI_DS26C32AT#1.16 U3_TI_DS26C32AT#2.4 U3_TI_DS26C32AT#2.12 U3_TI_DS26C32AT#2.16 U4_RS4221.4 U4_RS4221.12 U4_RS4222.4 U4_RS4222.12 U4_RS4223.4 U4_RS4223.12 U5_Shift_DIAG_FAULT_OC.31 U5_Shift_DIAG_FAULT_OC.42 U5_Shift_TEMP_PWM.31 U5_Shift_TEMP_PWM.42 U6_Shift_DIAG_FAULT_OC.5 U6_Shift_TEMP_PWM.5 X2.13 X2.14 | length 55.1
  Top Copper w0.254: 6.8,86.4 6.87,86.33 C8.2@8.1,86.33 ; v1(10.445,34.645) U3_TI_DS26C32AT#2.16@10.445,36.275 ; v1(10.445,58.645) U3_TI_DS26C32AT#1.16@10.445,60.275 ; C11.2@11.7,95.53 13.77,97.6 25.31,97.6 26.85,96.06 R14.2@26.9,96.06 ; v1(11.8,89.98) C9.2@11.8,90 ; R5.2@13.35,87.73 14.22,88.6 v1(14.4,88.6)
  Bottom Copper w0.2: U5_Shift_DIAG_FAULT_OC.42@40.3,34.25 43.75,34.25 44.1,33.9 C30_Shift_DIAG_FAULT_OC.2@44.1,33.8 44.276,33.8 45.476,32.6 v1(45.6,32.6) 45.7,32.6 U6_Shift_DIAG_FAULT_OC.5@46.65,31.65 ; U5_Shift_DIAG_FAULT_OC.31@40.3,39.75 42.95,39.75 C29_Shift_DIAG_FAULT_OC.2@43.1,39.6 ; U5_Shift_TEMP_PWM.42@40.3,50.25 42.55,50.25 43.1,49.7 C30_Shift_TEMP_PWM.2@43.2,49.7 ; U5_Shift_TEMP_PWM.31@40.3,55.75 43.15,55.75 C29_Shift_TEMP_PWM.2@43.2,55.8
  Bottom Copper w0.254: v1(10.445,34.645) 10.445,36.345 C24_TI_DS26C32AT#2.2@10.6,36.5 ; v1(10.445,58.645) 10.445,60.145 10.477,60.177 10.477,60.277 10.7,60.5 C24_TI_DS26C32AT#1.2@10.8,60.5 ; v1(11.8,89.98) 13.18,88.6 v1(14.4,88.6) ; C29_Shift_DIAG_FAULT_OC.2@43.1,39.6 44.8,41.3 v1(44.8,41.6) ; C30_Shift_TEMP_PWM.2@43.2,49.7 43.2,49.525 43.475,49.8 v1@44.4,49.8 ; C29_Shift_TEMP_PWM.2@43.2,55.8 44.2,56.8 v1@44.2,60
  other v1: 44.3,49.8 44.2,60.05
VCCB_Shift_DIAG_FAULT_OC: C18.2 C19.2 C20.2 C21.2 C25_RS4221.2 C25_RS4222.2 C25_RS4223.2 C26.2 C27.2 C28.2 C31_Shift_DIAG_FAULT_OC.2 C31_Shift_TEMP_PWM.2 C32_Shift_DIAG_FAULT_OC.2 C32_Shift_TEMP_PWM.2 IC1.14 IC2.14 IC3.14 R9.2 R12.2 U2.7 U3_TI_DS26C32AT#2.7 U4_RS4221.16 U4_RS4222.16 U4_RS4223.16 U5_Shift_DIAG_FAULT_OC.7 U5_Shift_DIAG_FAULT_OC.18 U5_Shift_TEMP_PWM.7 U5_Shift_TEMP_PWM.18 U6_Shift_DIAG_FAULT_OC.2 U6_Shift_TEMP_PWM.2 X2.9 X2.10 | length 71.4
  Top Copper w0.2: U3_TI_DS26C32AT#2.7@2.825,41.725 v1(2.825,43.575) ; U6_Shift_TEMP_PWM.2@47.4,50.75 47.4,50.2 47.717,49.883 48.232,49.883 48.8,50.451 v1(48.8,52.2)
  Top Copper w0.254: v1(10.445,10.645) U4_RS4223.16@10.445,12.275 ; v1(10.445,22.645) U4_RS4221.16@10.445,24.275 ; v1(10.445,46.645) U4_RS4222.16@10.445,48.275 ; IC1.14@20.538,7.325 21.725,7.325 22.3,7.9 C26.2@22.4,7.9 v1(23.7,7.9) ; v1(28.4,7.8) 28.4,8.877 28.6,9.077 28.6,9.071 28.723,8.948 30.164,8.948 IC3.14@30.262,8.85 ; v1(32.4,68.2) X2.9@34.3,68.2 ; R12.2@32.45,87.8 v1(32.45,89.15) ; 33.6,80.2 C18.2@33.6,81.81 ; v1(36.4,3.4) 37.7,3.4 C27.2@37.8,3.3 37.875,3.375 39.787,3.375 IC2.14@39.862,3.45 ; U2.7@36.895,84.9 37.98,84.9 41.28,81.6 R9.2@42.55,81.6 ; X2.10@37.7,68.2 v1(39.4,68.2)
  Signal Layer 1 w0.254: v1(30.6,83.4) 30.6,87.3 v1(32.45,89.15)
  Bottom Copper w0.2: v1(25.3,39.5) C32_Shift_DIAG_FAULT_OC.2@27.4,39.5 27.65,39.75 U5_Shift_DIAG_FAULT_OC.18@31.7,39.75 ; C32_Shift_TEMP_PWM.2@27.4,55.9 C32_Shift_TEMP_PWM.2@27.55,55.75 ; v1@28,54.8 28,55.3 C32_Shift_TEMP_PWM.2@27.55,55.75 ; C31_Shift_TEMP_PWM.2@28.3,49.2 C31_Shift_TEMP_PWM.2@28.3,49.3 ; v1@28.4,50.4 28.4,49.4 C31_Shift_TEMP_PWM.2@28.3,49.3 ; C31_Shift_DIAG_FAULT_OC.2@28.8,32.9 28.8,33.8 29.25,34.25 ; v1@29.421,34.785 29.373,34.737 29.373,34.373 29.25,34.25 ; U5_Shift_DIAG_FAULT_OC.7@31.7,34.25 29.25,34.25 ; U5_Shift_TEMP_PWM.7@31.7,50.25 29.795,50.25 29.095,49.55 28.55,49.55 C31_Shift_TEMP_PWM.2@28.3,49.3 ; U5_Shift_TEMP_PWM.18@31.7,55.75 C32_Shift_TEMP_PWM.2@27.55,55.75 ; v1(47.6,28.8) 47.6,30.449 47.976,30.825 48.1,30.825 48.275,31 U6_Shift_DIAG_FAULT_OC.2@48.55,31
  Bottom Copper w0.254: v1(10.445,10.645) 10.445,12.345 C25_RS4223.2@10.6,12.5 ; v1(10.445,22.645) 10.445,24.345 C25_RS4221.2@10.6,24.5 ; v1(10.445,46.645) 10.445,48.545 C25_RS4222.2@10.6,48.7
  other v1: 29.45,34.685 28.3,50.3 28,54.9
VIN: C2.2 D1.3 D2.1 L1.1 L2.1 R2.2 T2.3 X2.5 X2.6
  other v1: 32.4,69.4 39.6,69.4 32.808,70.2 39.192,70.2 40,84.6 41.8,84.6 41,85 42.8,85 23,90 24.6,90 21.2,90.6 20.4,91 22,91 23.4,91 24.6,91
pads on no net: D1.2 D3.2 D6.2 IC1.3 IC1.4 IC1.5 IC1.6 J2.13 J2.14 J2.15 J2.MH1 J2.MH2 J2.MH3 J2.MH4 X1.2 X2.49 X2.77 X2.78 X2.79 X2.80 X2.83 X2.84 X2.85 X2.86 X2.89 X2.90 X2.91 X2.92 X2.93 X2.94 X2.95 X2.96 X2.99 X2.100 X2.MH1 X2.MH2

## Polygon pours and split planes (outlines as drawn)
VCCA_Shift_DIAG_FAULT_OC on Top Copper "3V3_PER" (solid, pour order 4): 0.4,98.6 1.4,99.6 11,99.6 12.8,97.8 12.8,91.6 12,90.8 7.2,90.8 5,88.6 5,82 8.4,78.6 47.6,78.6 49.6,76.6 49.6,2.2 48,0.6 2.4,0.6 0.4,2.6
GND on Top Copper "GND" (solid, pour order 0): 32.398,75.598 33.2,76.4 38.4,76.4 39.2,75.6 39.3,68.242 38.4,67.024 37.2,67.024 37,66.8 37,66.4 37.229,66.171 38.4,66.2 39.339,65.399 39.2,24 38.2,23 33.8,23 32.398,24.2 32.398,65.399 33.54,66.2 34.8,66.2 35,66.4 35,66.8 34.741,67.024 33.54,67.024 32.398,68.242
GND on Signal Layer 1 "GND" (solid, pour order 12): 0.4,98.6 1.4,99.6 48.4,99.6 49.6,98.4 49.6,2.2 48,0.6 2.4,0.6 0.4,2.6
VIN on Signal Layer 1 "VIN" (solid, pour order 6): 39.8,85.8 43,85.8 43.6,85.2 43.6,84.4 39.8,80.6 39.8,69.4 39.6,69.2 32.4,69.2 32.2,69.4 32.2,78.2
VCCB_Shift_DIAG_FAULT_OC on Signal Layer 2 "5V_PER" (solid, pour order 8): 0.4,84 2.2,85.8 47.4,85.8 49.6,83.8 49.6,2.2 48,0.6 2.4,0.6 0.4,2.6
GND on Bottom Copper "GND" (solid, pour order 10): 0.4,98.6 1.4,99.6 48.4,99.6 49.6,98.4 49.6,2.2 48,0.6 2.4,0.6 0.4,2.6

## Other copper
Top Copper:
  region net VIN: 34.8,69.6 33.6,69.6 33,69 32.2,69 32,69.2 32,70.4 32.2,70.6 33,70.6 33.6,70 34.8,70
  region net VIN: 37.2,70 38.4,70 39,70.6 39.8,70.6 40,70.4 40,69.2 39.8,69 39,69 38.4,69.6 37.2,69.6
  region net VCCB_Shift_DIAG_FAULT_OC: 23.6,85.4 24,85.8 30.6,85.8 31.2,85.2 31.2,81.2 31.6,80.8 34,80.8 34.6,81.4 34.6,83.8 35.2,84.4 35.2,85 35.6,85.4 38.6,85.4 39,85 39,80.2 38,79.2 29.8,79.2 29,80 29,81.8 27.8,83 25.4,83 23.6,84.4
  region net VCCA_Shift_DIAG_FAULT_OC: 12,96.4 12.2,96.2 12.4,96 12.4,89.4 11.8,88.8 7.6,88.8 7.2,88.4 7.2,85 7.6,84.6 12,84.6 12.6,84 12.6,81.6 12,81 6.8,81 5.6,82.2 5.6,89.2 7,90.6 10.4,90.6 10.79,90.99 10.79,95.99 11.2,96.4
  region net NetC3_2: 21.6,94.6 21.4,94.4 19.4,94.4 18.8,93.8 18.8,90 19.2,89.6 20.4,89.6 20.6,89.4 20.6,88.525 20.475,88.4 19,88.4 18.8,88.2 18.8,86.2 20.6,84.4 20.6,81.6 20.2,81.2 19.6,81.2 19.28,81.52 19.28,84.2 17.6,85.88 17.6,94.6 18.8,95.8 21.4,95.8 21.6,95.6
  region net NetC13_2: 22.8,96 22.8,94 23,93.8 24.4,93.8 25.6,92.6 25.6,92.4 25.8,92.2 38.6,92.2 39,92.6 39,93.4 38.6,93.8 33.067,93.8 32.8,94.2 32.8,95.2 32.6,95.4 32,95.4 31.8,95.2 31.8,94.2 31.4,93.8 26,93.8 24.4,95.4 24.4,96 24.212,96.188 23.012,96.188 23,96.2
  region net GND: 13.8,96.2 14,96.4 15.2,96.4 15.4,96.2 15.4,94.8 15.8,94.4 16.8,94.4 17.2,94 17.2,85.88 16.8,85.48 16.12,85.48 15.6,86 15.6,88.8 15.2,89.2 14.2,89.2 13.8,89.6
  region net GND: 25.6,91.6 25.8,91.8 34.2,91.8 34.4,91.6 34.4,90.4 34.2,90.2 31,90.2 30.8,90 30.8,87.4 30.6,87.2 23.8,87.2 23.6,87.4 23.6,88.6 23.8,88.8 25.4,88.8 25.6,89
  region net VIN: 19.8,92.8 20.4,93.4 24.4,93.4 25.2,92.6 25.2,90.2 24.6,89.6 22.8,89.6 22.2,90.2 20,90.2 19.8,90.4
Bottom Copper:
  region net VIN: 43.8,92.8 43.8,94.6 44.5,95.3 47.81,95.3 48,95.11 48,93.4 47.6,93 47.6,88.8 43,84.2 28.2,84.2 22.2,90.2 20,90.2 19.8,90.4 19.8,91.4 20,91.6 24.6,91.6 28.4,87.8 41.2,87.8 42.8,89.4 42.8,91.2 43.4,91.8

## Silkscreen, mask and mechanical layers (free items; w line width, h text height)
Top Overlay:
  text "24V" at 4,97.8 h0.8
  text "5V" at 46.6,94.8 h1.52
  text "PE" at 1.2,93.6 h0.8
  text "GND" at 2.4,89.4 h0.8
  text "GND" at 5.6,89.4 h0.8
  text "3V3" at 5,77.8 h1.52
  text "V1.0 - 18.08.2021" at 47,62.8 h0.8 r90
  text "uz_ext_d_interface" at 48.6,62.6 h0.9 r90
Bottom Overlay:
  text "24V" at 6.2,97.8 h0.8
  text "PE" at 2.4,93.6 h0.8
  text "GND" at 4.6,89.4 h0.8
  text "GND" at 7.8,89.4 h0.8
Mechanical 1:
  the board outline again, w0.1

## Dimensions
0,100 to 50,100 on Mechanical 1
50,0 to 50,100 on Mechanical 1

## Text inside footprints (layer, text, board x,y; h text height)
X2: Top Value "99" at 33.85,29.85 h1 r270; Top Value "100" at 37.1,30.35 h1 r270; Top Value "56" at 37.1,47.45 h1 r270; Top Value "55" at 33.85,47.2 h1 r270; Top Value "53" at 33.85,51.2 h1 r270; Top Value "54" at 37.1,51.45 h1 r270; Top Value "2" at 37.1,71.75 h1 r270; Top Value "1" at 33.85,71.5 h1 r270